# Altium PCB LimeSDR-X3_1v2.PcbDoc (part 7 of 25)
Units mm, origin at the board's own origin, x right, y up, seen from the top; angles counter-clockwise.
Board outline 232.5 x 111.15 mm, 12 copper layers (Top, L2, L3, L4, L5, L6, L7, L8, L9, L10, L11, Bottom), stack 1.596 mm thick; 2084 components, 1388 nets, 8919 pads, 3667 vias.
Unrouted connection lines stored in the file: 1.
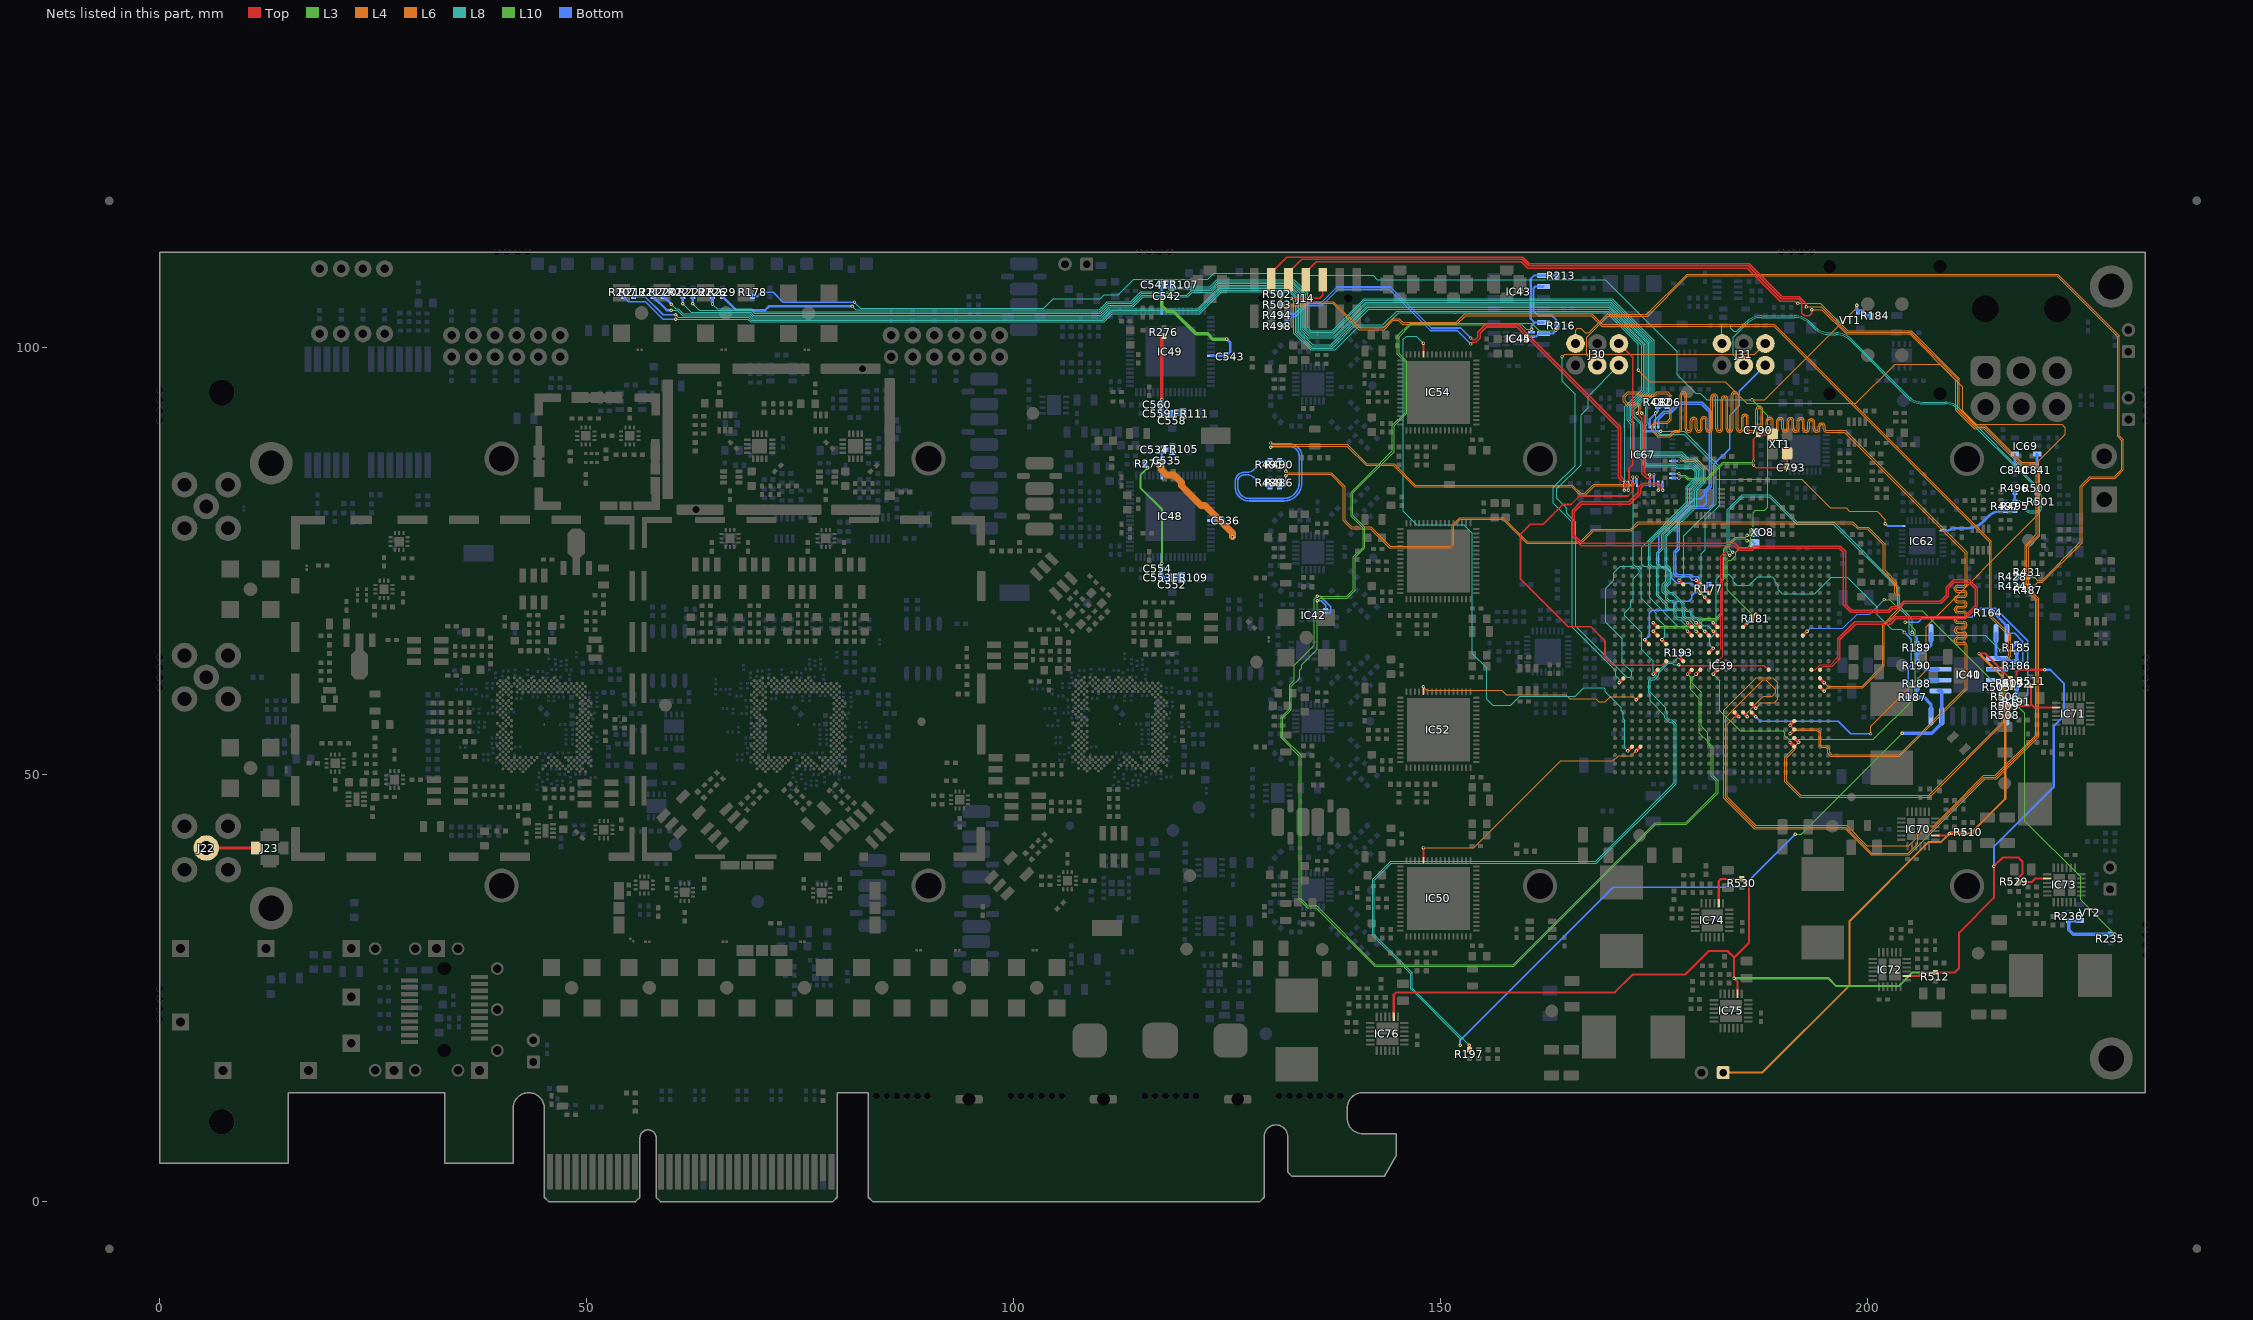
[diagram p17: the nets of this part, all layers, seen from the top]

## Via types
v1: diameter 0.4, hole 0.2, Top to Bottom, tented both sides, 3084 vias
v2: diameter 0.35, hole 0.2, Top to Bottom, tented both sides, 272 vias
v3: diameter 0.5, hole 0.2, Top to Bottom, tented bottom, 196 vias
v4: diameter 0.5, hole 0.2, Top to Bottom, tented both sides, 102 vias
v5: diameter 0.8, hole 0.4, Top to Bottom, tented both sides, 12 vias
v6: diameter 0.6, hole 0.3, Top to Bottom, tented both sides, 1 vias

## Nets (pads, with @x,y where several pads share a name; then routed paths per layer and width w, separated by ;. In a path a pad name is that pad's centre, name@x,y a point inside that pad or via, vN(x,y) a via of type N, cw(c..) or ccw(c..) an arc to the next point about the centre after c; other vN are vias at no path point) (continued)
BOM_VER3: IC39.N8 R197.1 | length 93.1
  Top w0.15: v1(177.85,62.875) 177.95,62.775 187.875,62.775 IC39.N8@188.375,62.275
  Top w0.4: R197.1@153.325,17.775 v1(153.325,18.3)
  L8 w0.1: v1(153.325,18.3) 146.642,24.983 146.642,26.791 142.2,31.233 142.2,37.642 144.183,39.625 168.203,39.625 177.525,48.947 177.525,55.903 177.003,56.425 176.73,56.425 176.525,56.63 176.525,57.339 176.32,57.545 176.32,57.835 174.525,59.63 174.525,60.92 174.73,61.125 175.025,61.125 175.525,61.625 175.525,61.92 176.63,63.025 177.1,63.025 177.25,62.875 v1(177.85,62.875)
BRACKET_SMA_TO_UFL: J22.1 J23.1 | length 6.1
  Top w0.325: J22.1@5.425,41.4 J23.1@11.468,41.4 ; J23.1@11.143,41.4 J23.1@11.243,41.4
CDCM_LMS2_BB_DAC1_CLK_N: IC67.21 R491.1 | length 70.2
  L4 w0.1: v1(130.075,88.825) 130.134,88.825 130.284,88.675 139.033,88.675 141.308,86.4 144.508,86.4 147.008,83.9 165.4,83.9 166.35,82.95 166.867,82.95 167.917,84 172.35,84 172.6,84.25 172.6,84.637 172.45,84.787 v1(172.45,84.846)
  Bottom w0.2: R491.1@129.975,86.8 ccw(c129.975,84.895) 128.628,86.242 128.106,85.72 cw(c127.334,86.492) 127.334,85.4 127,85.4 ccw(c127,84.3) 125.9,84.3 125.9,83.7 ccw(c127.561,83.7) 127.561,82.039 131.564,82.039 ccw(c131.564,84.175) 133.7,84.175 133.7,87.275 ccw(c132.25,87.275) 132.25,88.725 130.175,88.725 v1(130.075,88.825) ; IC67.21@172.45,84.075 v1(172.45,84.846)
CDCM_LMS2_BB_DAC1_CLK_P: IC67.20 R489.1 | length 68.7
  L4 w0.1: v1(130.075,88.325) 130.134,88.325 130.284,88.475 138.95,88.475 141.225,86.2 144.425,86.2 146.925,83.7 165.317,83.7 166.267,82.75 166.95,82.75 168,83.8 172.433,83.8 172.8,84.167 172.8,84.637 172.95,84.787 v1(172.95,84.846)
  Bottom w0.2: R489.1@129.975,83.7 cw(c129.975,85.605) 128.628,84.258 128.106,84.78 ccw(c127.334,84.008) 127.334,85.1 127,85.1 ccw(c127,84.3) 126.2,84.3 126.2,83.7 ccw(c127.561,83.7) 127.561,82.339 131.564,82.339 ccw(c131.564,84.175) 133.4,84.175 133.4,87.275 ccw(c132.25,87.275) 132.25,88.425 130.175,88.425 v1(130.075,88.325) ; IC67.20@172.95,84.075 v1(172.95,84.846)
CDCM_LMS2_BB_DAC1_REFC_N: IC39.N2 IC67.15 | length 97.7
  Top w0.1: IC39.N2@194.375,62.275 194.775,62.675 195.825,62.675 196.525,63.375
  Top w0.15: v1(175.45,83.304) 175.45,83.372 175.575,83.497 175.575,83.675 175.375,83.875 173.729,83.875 173.375,83.521 173.375,82.946 172.104,81.675 166.475,81.675 165.6,80.8 165.6,78.004 166.53,77.073 184.402,77.073 184.975,76.5 186.35,76.5 186.6,76.75 196.754,76.75 197.375,76.129 197.375,69.975 198.077,69.273 202.395,69.273 202.796,69.675 203.55,69.675 204.171,70.296 208.468,70.296 209.15,70.979 209.15,71.954 209.923,72.727 209.996,72.8 211.904,72.8 211.977,72.727 212.752,71.952 212.825,71.879 212.825,69.675 211.375,68.225 203.25,68.225 202.65,67.625 198.55,67.625 196.725,65.8 196.725,63.575 196.525,63.375
  Bottom w0.2: v1(175.45,83.304) IC67.15@175.45,84.075
CDCM_LMS2_BB_DAC1_REFC_P: IC39.N3 IC67.14 | length 99.2
  Top w0.1: IC39.N3@193.375,62.275 193.809,62.275 194.409,62.875 195.625,62.875 196.35,63.6
  Top w0.15: v1(175.95,83.304) 175.95,83.372 175.825,83.497 175.825,83.779 175.479,84.125 173.625,84.125 173.125,83.625 173.125,83.05 172,81.925 166.371,81.925 165.35,80.904 165.35,77.9 166.427,76.823 184.298,76.823 184.871,76.25 186.454,76.25 186.704,76.5 196.65,76.5 197.125,76.025 197.125,69.871 197.973,69.023 202.498,69.023 202.9,69.425 203.654,69.425 204.275,70.046 208.571,70.046 209.4,70.875 209.4,71.85 210.1,72.55 211.8,72.55 212.575,71.775 212.575,69.779 211.271,68.475 203.146,68.475 202.546,67.875 198.446,67.875 196.475,65.904 196.475,63.725 196.35,63.6
  Bottom w0.2: v1(175.95,83.304) IC67.14@175.95,84.075
CDCM_LMS2_BB_DAC2_CLK_N: IC67.22 R503.1 | length 58.6
  Top w0.2: v1(153.5,101.125) 153.7,100.925 153.975,100.925 154.3,101.25 154.3,101.799 155.226,102.725 158.999,102.725 171.05,90.674 171.05,84.95 171.85,84.15 171.85,83.611 171.912,83.549 171.912,83.342 v1(171.95,83.304)
  Bottom w0.2: R503.1@131.325,105.022 132.422,103.925 132.825,103.925 134.125,105.225 135.95,105.225 137.825,107.1 144.099,107.1 148.899,102.3 152.325,102.3 v1(153.5,101.125) ; v1(171.95,83.304) IC67.22@171.95,84.075
CDCM_LMS2_BB_DAC2_CLK_P: IC67.23 R498.1 | length 58.3
  Top w0.2: v1(153.5,100.425) 153.7,100.625 154.099,100.625 154.6,101.126 154.6,101.675 155.35,102.425 158.875,102.425 170.75,90.55 170.75,84.826 171.55,84.026 171.55,83.611 171.488,83.549 171.488,83.342 v1(171.45,83.304)
  Bottom w0.2: R498.1@131.325,102.528 132.422,103.625 132.949,103.625 134.249,104.925 136.074,104.925 137.949,106.8 143.975,106.8 148.775,102 151.925,102 v1(153.5,100.425) ; v1(171.45,83.304) IC67.23@171.45,84.075
CDCM_LMS2_BB_DAC2_REFC_N: IC39.F5 IC67.16 | length 184.8
  Top w0.2: v1(173,92.325) 173,92.271 173.1,92.171 173.1,92.159 173.525,91.734 173.525,85.25 174.079,84.696 174.616,84.696 174.85,84.93 174.85,84.942 174.95,85.042 v1(174.95,85.096)
  Top w0.4: v1(190.875,54.775) IC39.F5@191.375,55.275
  L4 w0.1: v1(173,92.325) 173,92.384 173.15,92.534 173.15,93.175 173,93.325 171.717,93.325 171.375,93.667 171.375,94.333 171.867,94.825 173.158,94.825 173.483,94.5 174.917,94.5 175.242,94.825 176.533,94.825 176.975,94.383 176.975,91.567 176.533,91.125 175.175,91.125 174.875,90.825 174.875,90.328 175.453,89.75 176.759,89.75 177.309,90.3 177.83,90.3 ccw(c177.83,90.47) 178,90.47 178,94.455 cw(c178.37,94.455) 178.37,94.825 178.43,94.825 cw(c178.43,94.455) 178.8,94.455 178.8,90.47 ccw(c178.97,90.47) 178.97,90.3 179.03,90.3 ccw(c179.03,90.47) 179.2,90.47 179.2,91.455 cw(c179.57,91.455) 179.57,91.825 179.63,91.825 cw(c179.63,91.455) 180,91.455 180,90.47 ccw(c180.17,90.47) 180.17,90.3 180.23,90.3 ccw(c180.23,90.47) 180.4,90.47 180.4,91.53 cw(c180.77,91.53) 180.77,91.9 180.83,91.9 cw(c180.83,91.53) 181.2,91.53 181.2,90.47 ccw(c181.37,90.47) 181.37,90.3 181.43,90.3 ccw(c181.43,90.47) 181.6,90.47 181.6,94.18 cw(c181.97,94.18) 181.97,94.55 182.03,94.55 cw(c182.03,94.18) 182.4,94.18 182.4,90.47 ccw(c182.57,90.47) 182.57,90.3 182.63,90.3 ccw(c182.63,90.47) 182.8,90.47 182.8,93.955 cw(c183.17,93.955) 183.17,94.325 183.23,94.325 cw(c183.23,93.955) 183.6,93.955 183.6,90.47 ccw(c183.77,90.47) 183.77,90.3 183.83,90.3 ccw(c183.83,90.47) 184,90.47 184,94.455 cw(c184.37,94.455) 184.37,94.825 184.43,94.825 cw(c184.43,94.455) 184.8,94.455 184.8,90.47 ccw(c184.97,90.47) 184.97,90.3 185.03,90.3 ccw(c185.03,90.47) 185.2,90.47 185.2,91.832 cw(c185.57,91.832) 185.57,92.202 185.63,92.202 cw(c185.63,91.832) 186,91.832 186,90.47 ccw(c186.17,90.47) 186.17,90.3 186.705,90.3 ccw(c186.705,90.474) 186.879,90.474 186.879,92.75 cw(c187.253,92.75) 187.253,93.124 187.313,93.124 cw(c187.313,92.75) 187.687,92.75 187.687,90.474 ccw(c187.861,90.474) 187.861,90.3 187.921,90.3 ccw(c187.921,90.474) 188.095,90.474 188.095,91.445 cw(c188.469,91.445) 188.469,91.819 188.529,91.819 cw(c188.529,91.445) 188.903,91.445 188.903,90.474 ccw(c189.077,90.474) 189.077,90.3 189.137,90.3 ccw(c189.137,90.474) 189.311,90.474 189.311,91.426 cw(c189.685,91.426) 189.685,91.8 189.745,91.8 cw(c189.745,91.426) 190.119,91.426 190.119,90.474 ccw(c190.293,90.474) 190.293,90.3 190.353,90.3 ccw(c190.353,90.474) 190.527,90.474 190.527,91.426 cw(c190.901,91.426) 190.901,91.8 190.961,91.8 cw(c190.961,91.426) 191.335,91.426 191.335,90.474 ccw(c191.509,90.474) 191.509,90.3 191.569,90.3 ccw(c191.569,90.474) 191.743,90.474 191.743,91.426 cw(c192.117,91.426) 192.117,91.8 192.177,91.8 cw(c192.177,91.426) 192.551,91.426 192.551,90.474 ccw(c192.725,90.474) 192.725,90.3 192.785,90.3 ccw(c192.785,90.474) 192.959,90.474 192.959,91.276 cw(c193.333,91.276) 193.333,91.65 193.393,91.65 cw(c193.393,91.276) 193.767,91.276 193.767,90.474 ccw(c193.941,90.474) 193.941,90.3 194.001,90.3 ccw(c194.001,90.474) 194.175,90.474 194.175,90.794 cw(c194.549,90.794) 194.549,91.167 194.609,91.167 cw(c194.609,90.794) 194.983,90.794 194.983,90.474 ccw(c195.157,90.474) 195.157,90.3 195.325,90.3 197.322,90.3 211.6,76.022 211.6,72.341 cw(c211.226,72.341) 211.226,71.967 210.499,71.967 ccw(c210.499,71.793) 210.325,71.793 210.325,71.733 ccw(c210.499,71.733) 210.499,71.559 211.226,71.559 cw(c211.226,71.185) 211.6,71.185 211.6,71.125 cw(c211.226,71.125) 211.226,70.751 210.499,70.751 ccw(c210.499,70.577) 210.325,70.577 210.325,70.517 ccw(c210.499,70.517) 210.499,70.343 211.226,70.343 cw(c211.226,69.969) 211.6,69.969 211.6,69.909 cw(c211.226,69.909) 211.226,69.535 210.499,69.535 ccw(c210.499,69.361) 210.325,69.361 210.325,69.301 ccw(c210.499,69.301) 210.499,69.127 211.226,69.127 cw(c211.226,68.753) 211.6,68.753 211.6,68.693 cw(c211.226,68.693) 211.226,68.319 210.499,68.319 ccw(c210.499,68.145) 210.325,68.145 210.325,68.085 ccw(c210.499,68.085) 210.499,67.911 211.226,67.911 cw(c211.226,67.537) 211.6,67.537 211.6,67.477 cw(c211.226,67.477) 211.226,67.103 210.499,67.103 ccw(c210.499,66.929) 210.325,66.929 210.325,66.869 ccw(c210.499,66.869) 210.499,66.695 211.226,66.695 cw(c211.226,66.321) 211.6,66.321 211.6,66.261 cw(c211.226,66.261) 211.226,65.887 210.499,65.887 ccw(c210.499,65.713) 210.325,65.713 210.325,65.653 ccw(c210.499,65.653) 210.499,65.479 211.226,65.479 cw(c211.226,65.105) 211.6,65.105 211.6,60.025 203.725,52.15 195.667,52.15 195.3,52.517 195.3,52.95 195.075,53.175 194.525,53.175 194.275,53.425 194.275,54.875 193.975,55.175 191.275,55.175 v1(190.875,54.775)
  Bottom w0.2: IC67.16@174.95,84.075 v1(174.95,85.096)
CDCM_LMS2_BB_DAC2_REFC_P: IC39.G5 IC67.17 | length 182.5
  Top w0.2: v1(173.5,92.325) 173.825,92 173.825,85.374 174.103,85.096 v1(174.45,85.096)
  Top w0.4: v1(190.875,55.775) IC39.G5@191.375,56.275
  L4 w0.1: v1(173.5,92.325) 173.5,92.384 173.35,92.534 173.35,93.258 173.083,93.525 171.8,93.525 171.575,93.75 171.575,94.25 171.95,94.625 173.075,94.625 173.4,94.3 175,94.3 175.325,94.625 176.45,94.625 176.775,94.3 176.775,91.65 176.45,91.325 175.092,91.325 174.675,90.908 174.675,90.245 175.37,89.55 176.842,89.55 177.392,90.1 177.83,90.1 ccw(c177.83,90.47) 178.2,90.47 178.2,94.455 cw(c178.37,94.455) 178.37,94.625 178.43,94.625 cw(c178.43,94.455) 178.6,94.455 178.6,90.47 ccw(c178.97,90.47) 178.97,90.1 179.03,90.1 ccw(c179.03,90.47) 179.4,90.47 179.4,91.455 cw(c179.57,91.455) 179.57,91.625 179.63,91.625 cw(c179.63,91.455) 179.8,91.455 179.8,90.47 ccw(c180.17,90.47) 180.17,90.1 180.23,90.1 ccw(c180.23,90.47) 180.6,90.47 180.6,91.53 cw(c180.77,91.53) 180.77,91.7 180.83,91.7 cw(c180.83,91.53) 181,91.53 181,90.47 ccw(c181.37,90.47) 181.37,90.1 181.43,90.1 ccw(c181.43,90.47) 181.8,90.47 181.8,94.18 cw(c181.97,94.18) 181.97,94.35 182.03,94.35 cw(c182.03,94.18) 182.2,94.18 182.2,90.47 ccw(c182.57,90.47) 182.57,90.1 182.63,90.1 ccw(c182.63,90.47) 183,90.47 183,93.955 cw(c183.17,93.955) 183.17,94.125 183.23,94.125 cw(c183.23,93.955) 183.4,93.955 183.4,90.47 ccw(c183.77,90.47) 183.77,90.1 183.83,90.1 ccw(c183.83,90.47) 184.2,90.47 184.2,94.455 cw(c184.37,94.455) 184.37,94.625 184.43,94.625 cw(c184.43,94.455) 184.6,94.455 184.6,90.47 ccw(c184.97,90.47) 184.97,90.1 185.03,90.1 ccw(c185.03,90.47) 185.4,90.47 185.4,91.832 cw(c185.57,91.832) 185.57,92.002 185.63,92.002 cw(c185.63,91.832) 185.8,91.832 185.8,90.47 ccw(c186.17,90.47) 186.17,90.1 186.705,90.1 ccw(c186.705,90.474) 187.079,90.474 187.079,92.75 cw(c187.253,92.75) 187.253,92.924 187.313,92.924 cw(c187.313,92.75) 187.487,92.75 187.487,90.474 ccw(c187.861,90.474) 187.861,90.1 187.921,90.1 ccw(c187.921,90.474) 188.295,90.474 188.295,91.445 cw(c188.469,91.445) 188.469,91.619 188.529,91.619 cw(c188.529,91.445) 188.703,91.445 188.703,90.474 ccw(c189.077,90.474) 189.077,90.1 189.137,90.1 ccw(c189.137,90.474) 189.511,90.474 189.511,91.426 cw(c189.685,91.426) 189.685,91.6 189.745,91.6 cw(c189.745,91.426) 189.919,91.426 189.919,90.474 ccw(c190.293,90.474) 190.293,90.1 190.353,90.1 ccw(c190.353,90.474) 190.727,90.474 190.727,91.426 cw(c190.901,91.426) 190.901,91.6 190.961,91.6 cw(c190.961,91.426) 191.135,91.426 191.135,90.474 ccw(c191.509,90.474) 191.509,90.1 191.569,90.1 ccw(c191.569,90.474) 191.943,90.474 191.943,91.426 cw(c192.117,91.426) 192.117,91.6 192.177,91.6 cw(c192.177,91.426) 192.351,91.426 192.351,90.474 ccw(c192.725,90.474) 192.725,90.1 192.785,90.1 ccw(c192.785,90.474) 193.159,90.474 193.159,91.276 cw(c193.333,91.276) 193.333,91.45 193.393,91.45 cw(c193.393,91.276) 193.567,91.276 193.567,90.474 ccw(c193.941,90.474) 193.941,90.1 194.001,90.1 ccw(c194.001,90.474) 194.375,90.474 194.375,90.794 cw(c194.549,90.794) 194.549,90.967 194.609,90.967 cw(c194.609,90.794) 194.783,90.794 194.783,90.474 ccw(c195.157,90.474) 195.157,90.1 195.408,90.1 197.239,90.1 211.4,75.939 211.4,72.341 cw(c211.226,72.341) 211.226,72.167 210.499,72.167 ccw(c210.499,71.793) 210.125,71.793 210.125,71.733 ccw(c210.499,71.733) 210.499,71.359 211.226,71.359 cw(c211.226,71.185) 211.4,71.185 211.4,71.125 cw(c211.226,71.125) 211.226,70.951 210.499,70.951 ccw(c210.499,70.577) 210.125,70.577 210.125,70.517 ccw(c210.499,70.517) 210.499,70.143 211.226,70.143 cw(c211.226,69.969) 211.4,69.969 211.4,69.909 cw(c211.226,69.909) 211.226,69.735 210.499,69.735 ccw(c210.499,69.361) 210.125,69.361 210.125,69.301 ccw(c210.499,69.301) 210.499,68.927 211.226,68.927 cw(c211.226,68.753) 211.4,68.753 211.4,68.693 cw(c211.226,68.693) 211.226,68.519 210.499,68.519 ccw(c210.499,68.145) 210.125,68.145 210.125,68.085 ccw(c210.499,68.085) 210.499,67.711 211.226,67.711 cw(c211.226,67.537) 211.4,67.537 211.4,67.477 cw(c211.226,67.477) 211.226,67.303 210.499,67.303 ccw(c210.499,66.929) 210.125,66.929 210.125,66.869 ccw(c210.499,66.869) 210.499,66.495 211.226,66.495 cw(c211.226,66.321) 211.4,66.321 211.4,66.261 cw(c211.226,66.261) 211.226,66.087 210.499,66.087 ccw(c210.499,65.713) 210.125,65.713 210.125,65.653 ccw(c210.499,65.653) 210.499,65.279 211.226,65.279 cw(c211.226,65.105) 211.4,65.105 211.4,60.108 203.642,52.35 195.75,52.35 195.5,52.6 195.5,53.033 195.158,53.375 194.608,53.375 194.475,53.508 194.475,54.958 194.058,55.375 191.275,55.375 v1(190.875,55.775)
  Bottom w0.2: IC67.17@174.45,84.075 v1(174.45,85.096)
CDCM_PRI_REF: IC62.8 IC67.8 | length 30.3
  L6 w0.1: v1(177.871,86.725) 180.175,86.725 182.3,84.6 192.225,84.6 195.6,81.225 197.45,81.225 197.825,80.85 201.07,80.85 202.05,79.87 v1(202.05,79.375)
  Bottom w0.2: IC67.8@177.1,86.725 v1(177.871,86.725)
  Bottom w0.25: v1(202.05,79.375) 202.325,79.1 IC62.8@203.975,79.1
CDCM_RESET_N: C806.2 IC39.AC18 IC67.44 R482.1 | length 30.3
  Top w0.4: v1(177.875,72.775) IC39.AC18@178.375,72.275
  L8 w0.1: v1(175.15,92.35) 175.15,90.299 175.599,89.85 178.433,89.85 182.225,86.058 182.225,81.726 178.45,77.951 178.45,73.35 v1(177.875,72.775)
  Bottom w0.25: IC67.44@174.45,90.875 174.45,91.625 175.385,92.56 R482.1@175.385,93.089 C806.2@176.435,93.089
CDCM_SEC_REF_N: C793.2 IC67.12 XT1.3 | length 16.6
  Top w0.2: v1(186.6,86.225) 186.889,85.936 C793.2@190.539,85.936 XT1.3@190.539,87.61
  L10 w0.1: v1(177.871,84.725) 178.021,84.875 178.55,84.875 178.9,84.525 181.208,84.525 183.058,86.375 186.45,86.375 v1(186.6,86.225)
  Bottom w0.2: IC67.12@177.1,84.725 v1(177.871,84.725)
  Bottom w0.25: IC67.12@177.1,84.725 IC67.12@177.399,84.725
CDCM_SEC_REF_P: C790.2 IC67.11 XT1.1 | length 15.5
  Top w0.2: v1(186.6,86.725) 186.6,89.245 C790.2@187.165,89.81 XT1.1@188.839,89.81
  L10 w0.1: v1(177.871,85.225) 178.021,85.075 178.633,85.075 178.983,84.725 181.125,84.725 182.975,86.575 186.45,86.575 v1(186.6,86.725)
  Bottom w0.2: IC67.11@177.1,85.225 v1(177.871,85.225)
CDCM_STATUS0: IC39.AB16 IC67.46 | length 35.1
  Top w0.4: v1(179.875,71.775) IC39.AB16@180.375,71.275
  Bottom w0.15: IC67.46@175.45,90.875 175.45,91.575 176.2,92.325 176.925,92.325 177.95,93.35 180.502,93.35 181.425,92.427 181.425,83.83 180.825,83.23 180.825,82.734 180.414,82.323 179.664,82.323 175.5,78.159 175.5,74.62 175.845,74.275 176.325,74.275 177,73.6 177,73.001 177.601,72.4 179.25,72.4 v1(179.875,71.775)
CDCM_STATUS1: IC39.AC16 IC67.45 | length 34
  Top w0.4: v1(179.875,72.775) IC39.AC16@180.375,72.275
  Bottom w0.15: IC67.45@174.95,90.875 174.95,91.429 176.096,92.575 176.775,92.575 177.8,93.6 180.606,93.6 181.675,92.531 181.675,83.726 181.075,83.126 181.075,82.13 181.075,81.8 180.7,81.425 179.18,81.425 178.88,81.125 178.82,81.125 178.82,81.065 177.675,79.92 177.675,76.479 177.25,76.054 177.25,73.516 177.616,73.15 179.05,73.15 179.425,72.775 v1(179.875,72.775)
CDCM_SYNCN: IC39.AA15 IC67.42 | length 28.4
  Top w0.4: v1(180.875,70.775) IC39.AA15@181.375,70.275
  L8 w0.1: v1(175.75,90.2) 178.475,90.2 182.625,86.05 182.625,81.561 180.95,79.886 180.95,76.35 180.475,75.875 180.475,71.175 v1(180.875,70.775)
  Bottom w0.25: IC67.42@173.45,90.875 173.45,90.475 173.725,90.2 v1(175.75,90.2)
CLK100_FPGA_N: IC39.V21 XO8.5 | length 21.7
  Top w0.4: v1(174.875,67.775) IC39.V21@175.375,67.275
  L3 w0.1: v1(174.875,67.775) 175.275,67.375 180.05,67.375 180.325,67.65 180.325,68.003 180.647,68.325 182.175,68.325 182.825,68.975 182.825,72.833 183.1,73.108 183.1,76.445 184.46,77.805 185.63,77.805 v1(185.85,78.025)
  Bottom w0.2: v1(185.85,78.025) 186.4,78.025 XO8.5@186.725,78.35
CLK100_FPGA_P: IC39.U21 XO8.4 | length 21.7
  Top w0.4: v1(174.875,66.775) IC39.U21@175.375,66.275
  L3 w0.1: v1(174.875,66.775) 175.275,67.175 180.133,67.175 180.525,67.567 180.525,67.92 180.73,68.125 182.258,68.125 183.025,68.892 183.025,72.75 183.3,73.025 183.3,76.362 184.543,77.605 185.63,77.605 v1(185.85,77.385)
  Bottom w0.2: v1(185.85,77.385) 186.4,77.385 XO8.4@186.725,77.06
DVDD1P8_LMS2_BB_DAC1: C534.2 C535.2 C536.2 FR105.2 IC48.41 IC48.61 | length 20.7
  L6 w0.8: v1@117.225,86.175 117.225,85.75 117.879,85.096 118.729,85.096 119.6,84.225 119.6,83.825 121.9,81.525 122.35,81.525 125.6,78.275 v1(125.6,77.85)
  Bottom w0.3: IC48.41@117.328,85.003 v1(117.328,86.175) 117.328,88.003 C534.2@117.402,88.077 ; IC48.61@123.078,79.753 C536.2@124.327,79.752 ; C536.2@124.327,79.752 124.327,79.223 124.725,78.825 125.125,78.825 125.6,78.35 v1(125.6,77.85)
  Bottom w0.6: C534.2@117.365,88.114 C534.2@117.402,88.077 ; C534.2@117.402,88.114 FR105.2@118.504,88.114
DVDD1P8_LMS2_BB_DAC2: C541.2 C542.2 C543.2 FR107.2 IC49.41 IC49.61 | length 18.1
  L3 w0.4: v1(117.328,105.567) 117.328,104.897 117.975,104.25 118.668,104.25 121.318,101.6 122.675,101.6 123.275,101 v1(124.925,101)
  Bottom w0.3: IC49.41@117.328,104.278 v1(117.328,105.567) C541.2@117.328,107.278 ; IC49.61@123.078,99.028 124.852,99.028 125.325,99.501 125.325,100.6 v1(124.925,101)
  Bottom w0.6: C541.2@117.402,107.389 FR107.2@118.504,107.389
DVDD3P3_LMS2_BB_DAC1: C552.2 C553.2 C554.2 FR109.2 IC48.11 R275.2 | length 18
  L3 w0.25: v1(115.684,85.925) 114.8,85.041 114.8,83.6 117.328,81.072 v1(117.328,74.75)
  Bottom w0.25: R275.2@115.327,86.402 115.684,86.046 v1(115.684,85.925)
  Bottom w0.3: C554.2@117.328,74.078 v1(117.328,74.75) IC48.11@117.328,75.503
  Bottom w0.4: C554.2@117.327,74.077 117.302,74.052 117.302,73.077 C552.2@118.527,73.077
  Bottom w0.6: C552.2@118.527,73.077 FR109.2@119.629,73.077
DVDD3P3_LMS2_BB_DAC2: C558.2 C559.2 C560.2 FR111.2 IC49.11 R276.2 | length 12.2
  Top w0.4: v1(117.328,93.9) 117.328,101.103 R276.2@117.55,101.325
  Bottom w0.3: C560.2@117.328,93.353 v1(117.328,93.9) IC49.11@117.328,94.778
  Bottom w0.4: C559.2@117.302,92.227 C560.2@117.302,93.302 117.302,93.327 C560.2@117.327,93.352 ; C559.2@117.327,92.265 C558.2@118.427,92.265
  Bottom w0.6: C558.2@118.727,92.265 FR111.2@119.777,92.265
ECO_N: C841.1 IC69.3 | length 1.4
  Bottom w0.325: C841.1@219.8,86.125 IC69.3@219.8,87.525
ECO_P: C840.1 IC69.4 | length 1.4
  Bottom w0.325: C840.1@217.2,86.125 IC69.4@217.2,87.525
EN_REG: IC72.20 IC73.20 IC74.20 IC75.20 IC76.20 R505.2 R506.1 R507.2 R509.1 R512.2 R529.2 R530.2 | length 154.8
  Top w0.25: IC76.20@144.475,21.65 144.475,24.225 144.75,24.5 170.35,24.5 172.425,26.575 178.575,26.575 181.35,29.35 183.55,29.35 184.325,28.575 ; IC74.20@182.526,34.93 182.526,37.505 182.801,37.78 185.205,37.78 R530.2@185.225,37.8 186.075,36.95 186.075,30.325 184.325,28.575 ; IC75.20@184.725,24.325 184.725,25.75 v1(184.325,26.15) 184.325,28.575 ; IC72.20@204.55,26.425 205.975,26.425 v1(206.375,26.825) R512.2@207.9,26.825 210.15,26.825 210.675,27.35 210.675,31.5 214.75,35.575 v1(214.75,39.275) 215.775,40.3 217.6,40.3 218.1,39.8 218.1,38.405 217.65,37.955 R529.2@217.65,37.425 219.175,37.425 219.575,37.825 IC73.20@221,37.825 ; R509.1@215.575,58.025 R506.1@215.575,59.125 R505.2@215.575,60.225 R507.2@216.675,60.225 217.375,60.925 217.375,61.975 217.675,62.275 v1(220.7,62.275)
  L3 w0.25: v1(184.325,26.15) 195.375,26.15 196.3,25.225 203.6,25.225 205.2,26.825 v1(206.375,26.825)
  Bottom w0.25: v1(214.75,39.275) 214.75,41.55 221.75,48.55 221.75,55.675 222.975,56.9 222.975,60.65 221.35,62.275 v1(220.7,62.275)